# Altium PCB nRFBOXv2.PcbDoc
Units mm, origin at the board's own origin, x right, y up, seen from the top; angles counter-clockwise.
Board outline 47.75 x 87.5 mm, 2 copper layers (Top Layer, Bottom Layer); 68 components, 63 nets, 332 pads, 74 vias.
Unrouted connection lines stored in the file: 1.
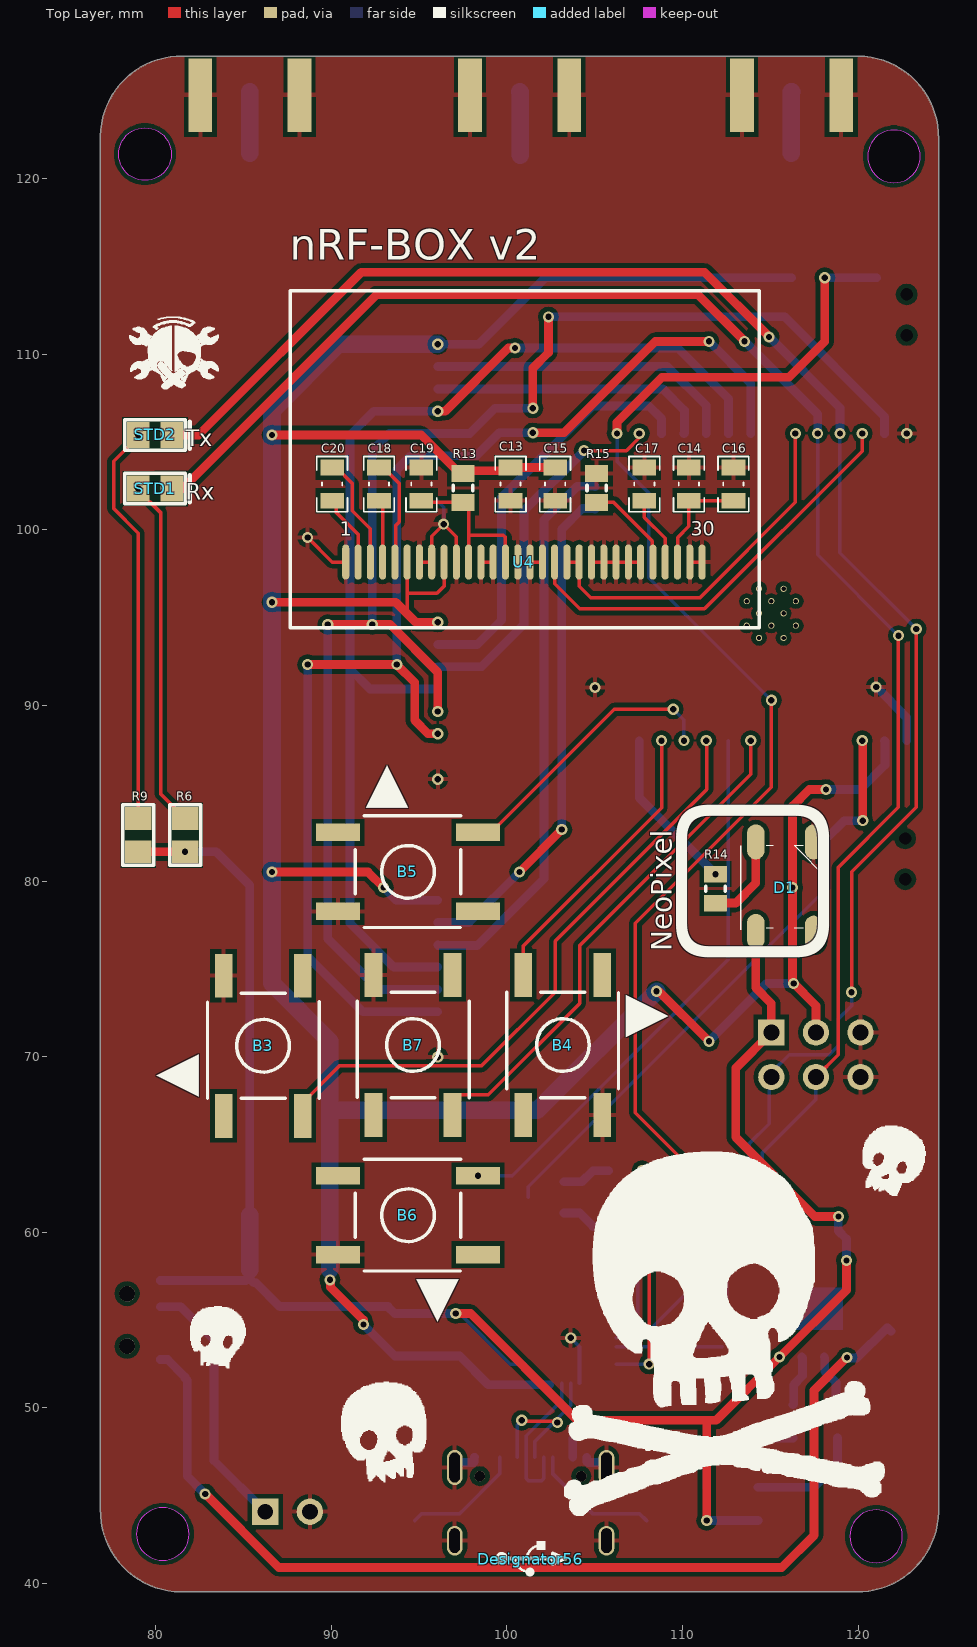
[diagram p0: Top Layer view]
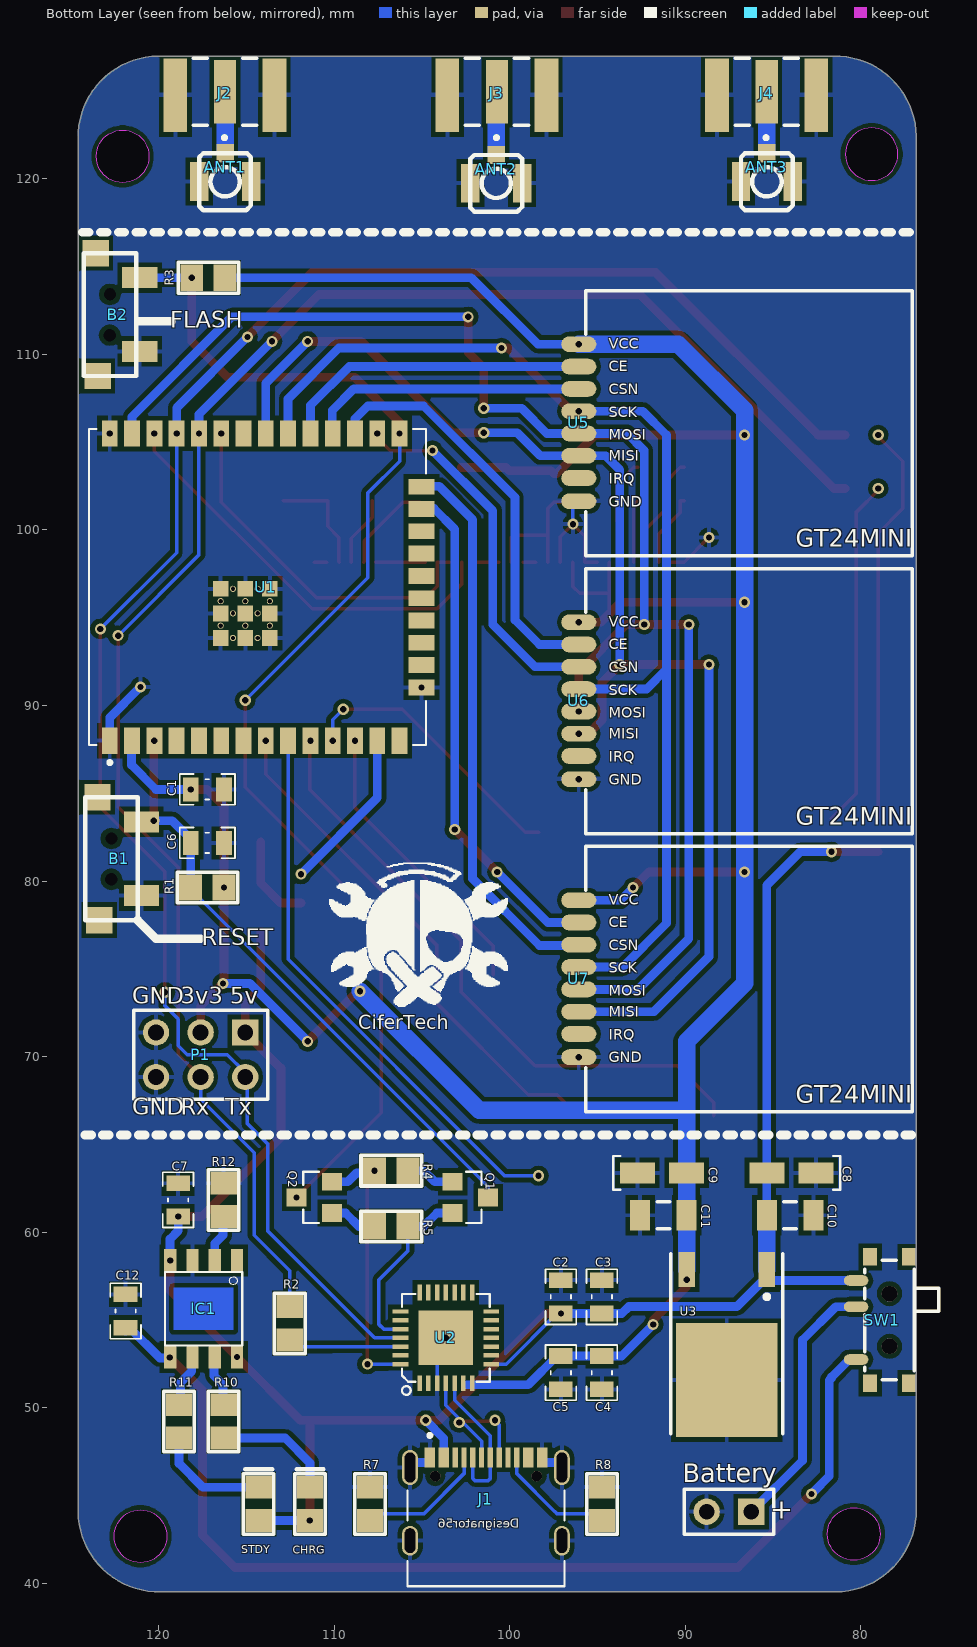
[diagram p1: Bottom Layer view, seen from below]

## Layer stack, top to bottom
Top Solder: solder mask 0.0102, Solder Resist, Dk 3.5
Top Layer: signal copper 0.0356
Dielectric 1: dielectric 0.32, FR-4, Dk 4.8
Bottom Layer: signal copper 0.0356
Bottom Solder: solder mask 0.0102, Solder Resist, Dk 3.5

## Board outline
76.835,44.196 ccw(c81.47,44.133) 81.407,39.497 119.888,39.497 ccw(c119.951,44.132) 124.587,44.069 124.587,122.301 ccw(c119.952,122.364) 120.015,127 81.534,127 ccw(c81.471,122.365) 76.835,122.428
cut-out: 78.891,42.799 ccw(c80.391,42.799) 80.391,41.299 ccw(c80.391,42.799) 81.891,42.799 ccw(c80.391,42.799) 80.391,44.299 ccw(c80.391,42.799)
cut-out: 119.531,42.672 ccw(c121.031,42.672) 121.031,41.172 ccw(c121.031,42.672) 122.531,42.672 ccw(c121.031,42.672) 121.031,44.172 ccw(c121.031,42.672)
cut-out: 79.375,119.912 cw(c79.375,121.412) 77.875,121.412 cw(c79.375,121.412) 79.375,122.912 cw(c79.375,121.412) 80.875,121.412 cw(c79.375,121.412)
cut-out: 120.547,121.285 ccw(c122.047,121.285) 122.047,119.785 ccw(c122.047,121.285) 123.547,121.285 ccw(c122.047,121.285) 122.047,122.785 ccw(c122.047,121.285)

## Design rules (kind name [scope] priority, off if disabled: settings)
Clearance [All] p1: gap=0.254 ignorepadtopadclearanceinfootprint=FALSE except(0: Arc-Hole Track-Hole SMDPad-Hole THPad-Hole Via-Hole Fill-Hole Poly-Hole Region-Hole Text-Hole)
PolygonConnect [All] p1: connectstyle=Relief reliefconductorwidth=0.254 reliefentries=4 polygonreliefangle="90 Angle" airgapwidth=0.254
RoutingVias [All] p1: holewidth=0.711 width=1.27 viastyle="Through Hole" minholewidth=0.711 minwidth=1.27 maxholewidth=0.711 maxwidth=1.27
SolderMaskExpansion [All] p1: expansion=0.102
Width [All] p1: maxlimit=1 minlimit=0.2 preferedwidth=0.5 minimp=50.000000 maximp=50.000000 favimp=50.000000
30 further rules are at their usual default settings.

## Components (designator, comment, footprint, x,y, rotation, side; value= is the part's Value field where it differs from the comment)
ANT1 "ANT U.FL" "U.FL SMD" 116.205,120.65 r0 bottom
ANT2 "ANT U.FL" "U.FL SMD" 100.76,120.561 r0 bottom
ANT3 "ANT U.FL" "U.FL SMD" 85.344,120.65 r0 bottom
B1 "BUTTON" "PUSH BUTTON SMD" 122.67,81.178 r0 bottom
B2 "BUTTON" "PUSH BUTTON SMD" 122.759,112.177 r0 bottom
B3 "Button" "PUSH BUTTON 4 PIN SMD 5" 86.106,70.612 r90 top
B4 "Button" "PUSH BUTTON 4 PIN SMD 5" 103.187,70.657 r270 top
B5 "Button" "PUSH BUTTON 4 PIN SMD 5" 94.361,80.522 r180 top
B6 "Button" "PUSH BUTTON 4 PIN SMD 5" 94.361,60.96 r180 top
B7 "Button" "PUSH BUTTON 4 PIN SMD 5" 94.647,70.657 r90 top
Battery "Battery" Bat 69.342,53.721 r0 bottom (schematic designator BT1)
C1 "100nf" CAP0805 117.221,85.217 r0 bottom
C2 "10uf" CAP0805 97.079,56.311 r270 bottom
C3 "100nf" CAP0805 94.742,56.311 r270 bottom
C4 "10uf" CAP0805 94.742,51.993 r90 bottom
C5 "100nf" CAP0805 97.079,51.993 r90 bottom
C6 "100nf" CAP0805 117.221,82.169 r0 bottom
C7 "100nf" CAP0805 118.882,61.833 r270 bottom
C8 "Capacitor Tantalum SMD" "Tan 1206 (3216X18L) Size A" 77.211,68.835 r0 bottom value=2.2uf
C9 "Capacitor Tantalum SMD" "Tan 1206 (3216X18L) Size A" 98.049,57.913 r180 bottom value=2.2uf
C10 "10uf" "CAP 1206 (3216X15L)" 84.02,60.96 r0 bottom
C11 "10uf" "CAP 1206 (3216X15L)" 91.24,60.96 r180 bottom
C12 "100nf" CAP0805 121.88,55.504 r270 bottom
C13 "10uf" CAP0805 100.203,102.616 r270 top
C14 "10uf" CAP0805 110.363,102.616 r270 top
C15 "100nf" CAP0805 102.743,102.616 r270 top
C16 "100nf" CAP0805 112.903,102.616 r270 top
C17 "2.2uf" CAP0805 107.823,102.616 r90 top
C18 "1uf" CAP0805 92.71,102.616 r90 top
C19 "2.2uf" CAP0805 95.123,102.616 r90 top
C20 "1uf" CAP0805 90.043,102.616 r90 top
CHRG "LED" L0805 111.379,45.466 r90 bottom (schematic designator STD4)
D1 "LED RGB WS2812" "LED 5050 WS2812B" 115.824,79.629 r90 top
Designator56 "Comment" "LOGO USB1" 101.346,41.402 r0 top
IC1 "TP4056" SOP-8 117.435,55.631 r270 bottom
J1 "TYPE-C-31-M-12" HRO_TYPE-C-31-M-12 101.346,42.418 r180 bottom
J2 "SMA" SAMTEC_SMA-J-P-H-ST-EM1 116.216,124.968 r0 bottom
J3 "SMA" SAMTEC_SMA-J-P-H-ST-EM1 100.722,124.968 r0 bottom
J4 "SMA" SAMTEC_SMA-J-P-H-ST-EM1 85.355,124.968 r0 bottom
P1 "Header 3X2" HDR2X3 115.062,71.374 r0 bottom
Q1 "S8050" SOT-23 102.235,61.976 r270 bottom
Q2 "S8050" SOT-23 111.125,61.976 r90 bottom
R1 "4.7k" "RES 0805" 118.171,79.629 r270 bottom
R2 "470" "RES 0805" 112.522,55.753 r0 bottom
R3 "4.7k" "RES 0805" 118.107,114.372 r270 bottom
R4 "12k" "RES 0805" 107.691,63.5 r270 bottom
R5 "12k" "RES 0805" 105.791,60.325 r90 bottom
R6 "1k" "RES 0805" 81.666,81.661 r0 top
R7 "5.1k" "RES 0805" 107.95,43.566 r180 bottom
R8 "5.1k" "RES 0805" 94.742,43.566 r180 bottom
R9 "1k" "RES 0805" 78.999,81.666 r0 top
R10 "1k" "RES 0805" 116.292,50.165 r0 bottom
R11 "1k" "RES 0805" 118.832,50.165 r0 bottom
R12 "1k" "RES 0805" 116.292,60.883 r180 bottom
R13 "10k" "RES 0805 (2012X06L)" 97.49,101.568 r90 top
R14 "1k" "RES 0805 (2012X06L)" 111.887,80.39 r270 top
R15 "390k" "RES 0805 (2012X06L)" 105.11,101.568 r90 top
STD1 "LED" L0805 80.899,102.362 r0 top
STD2 "LED" L0805 80.899,105.41 r0 top
STDY "LED" L0805 114.3,45.466 r90 bottom (schematic designator STD3)
SW1 "SlideSwitch" SWSLIDT_SPDT_MSS3 78.359,54.991 r270 bottom
U1 "ESP32-WROOM-32U" XCVR_ESP32-WROOM-32U 114.369,96.747 r90 bottom
U2 "CP2102" QFN28G_0.5-5X5MM 103.632,53.975 r90 bottom
U3 "LF33" D-PACK 85.345,57.862 r0 bottom
U4 "OLED_0.96IN_WHITE" OLED_0.96IN_WHITE_SSD1306 100.965,98.171 r0 top locked
U5 "NRF24L01" NRF24L01_GT24MINI_MS 86.36,106.137 r180 bottom locked
U6 "NRF24L01" NRF24L01_GT24MINI_MS 86.36,90.302 r180 bottom locked
U7 "NRF24L01" NRF24L01_GT24MINI_MS 86.36,74.467 r180 bottom locked

## Footprints (in the part's own frame and the unit in brackets; to place one, negate y for a bottom-side part, rotate by r counter-clockwise, add the part's x,y. Pads: shape width x height; smd on the part's side, far side on the other; paste and mask are expansions set on the pad)
Bat [mm]
  rect 1.5x1.5 hole 0.9: 1(16.891,9.652)
  round 1.5 hole 0.9: 2(19.431,9.652)
  silkscreen extent 15.62,8.38 20.7,10.92
CAP0805 [mm] "Chip Capacitor, 2-Leads, Body 2/00x1/25mm, IPC Medium Density DESIGNER:ABBAS BASEREH"
  rect 0.9x1.35 smd: 1(-0.95,0) 2(0.95,0)
  silkscreen extent -1.58,-0.87 1.58,0.87, body extent -1.02,-0.65 1.02,0.65, height 0.5
"CAP 1206 (3216X15L)" [mm] "Chip Capacitor, 2-Leads, Body 3.2x1.6mm, IPC High Density"
  rect 1.15x1.75 smd: 1(-1.325,0) 2(1.325,0)
  silkscreen extent -0.35,-0.77 0.35,0.77, body extent -1.6,-0.8 1.6,0.8, height 1
D-PACK [mm] "D-PACK"
  rect 0.95x2 smd: 1(0,0) 3(4.57,0)
  rect 5.8x6.5 smd: 2(2.285,6.3)
  silkscreen extent -0.91,-0.9 5.49,9.35, body extent -1.03,-0.45 5.55,9.25, height 2.3
HDR2X3 [mm] "Connector; Header; 3x2 Position"
  rect 1.5x1.5 hole 0.9: 1(0,0)
  round 1.5 hole 0.9: 2(0,2.54) 3(2.54,0) 4(2.54,2.54) 5(5.08,0) 6(5.08,2.54)
  silkscreen extent -1.27,-1.27 6.35,3.81, body extent -1.27,-1.26 6.35,3.82, height 8.38
HRO_TYPE-C-31-M-12 [mm]
  rect 0.6x1.14 smd mask+0.05: A1_B12(-3.2,4.75) A4_B9(-2.4,4.75) B1_A12(3.2,4.75) B4_A9(2.4,4.75)
  rect 0.3x1.14 smd mask+0.05: A5(-1.25,4.75) A6(-0.25,4.75) A7(0.25,4.75) A8(1.25,4.75) B5(1.75,4.75) B6(0.75,4.75) B7(-0.75,4.75) B8(-1.75,4.75)
  oval 0.9x2 hole 0.6 slot 1.7 at 90 deg: S1(-4.325,4.17) S2(4.325,4.17)
  oval 0.9x1.7 hole 0.6 slot 1.4 at 90 deg: S3(-4.325,0) S4(4.325,0)
  round 0.6 hole 0.6 unplated: ""(-2.89,3.68) ""(2.89,3.68)
  silkscreen extent -4.47,-2.6 4.47,6.1, body extent -4.47,-2.6 4.47,5.3, height 3.31
L0805 [mm] "Body 2.0x1.3mm, IPC High Density"
  rect 1.3x1.5 smd: A(-1.9,0) K(0,0)
  silkscreen extent -2.68,-0.87 1.03,0.87, body extent -1.95,-0.63 0.05,0.62, height 0.68
"LED 5050 WS2812B" [mm]
  oval 2x1 smd: 1(-2.5,1.65) 2(-2.6,-1.65) 3(2.6,-1.65) 4(2.6,1.65)
  silkscreen extent -2.41,-2.49 2.4,2.51, body extent -2.74,-2.49 2.66,2.51, height 1.6
"LOGO USB1" [mm] "General USB Logo"
  silkscreen extent -1.82,-0.89 2.01,0.99
NRF24L01_GT24MINI_MS [mm] "2.4GHz Transceiver MODULE, SMD"
  oval 2x0.9 smd mask+0.1: 1(-9.7,4.44) 2(-9.7,3.17) 3(-9.7,1.9) 4(-9.7,0.63) 5(-9.7,-0.64) 6(-9.7,-1.91) 7(-9.7,-3.18) 8(-9.7,-4.5)
  silkscreen extent -9.3,-7.6 9.3,7.5, body extent -9.2,-7.5 9.2,7.4, height 2.25
OLED_0.96IN_WHITE_SSD1306 [mm] "OLED, 0.96IN, Monochrome white, SSD1306"
  oval 0.4x2 smd: 1(-10.15,0) 2(-9.45,0) 3(-8.75,0) 4(-8.05,0) 5(-7.35,0) 6(-6.65,0) 7(-5.95,0) 8(-5.25,0) 9(-4.55,0) 10(-3.85,0) 11(-3.15,0) 12(-2.45,0) 13(-1.75,0) 14(-1.05,0) 15(-0.35,0) 16(0.35,0) 17(1.05,0) 18(1.75,0) 19(2.45,0) 20(3.15,0) 21(3.85,0) 22(4.55,0) 23(5.25,0) 24(5.95,0) 25(6.65,0) 26(7.35,0) 27(8.05,0) 28(8.75,0) 29(9.45,0) 30(10.15,0)
  silkscreen extent -13.3,-3.75 13.4,15.45, body extent -13.35,-6.82 13.35,15.4, height 3.82
"PUSH BUTTON 4 PIN SMD 5" [mm]
  rect 2.5x1 smd: 1(-3.992,2.25) 2(-3.992,-2.25) 3(3.992,-2.25) 4(3.992,2.25)
  silkscreen extent -3,-3.2 3,3.17, body extent -4.5,-3 4.5,3, height 5
"PUSH BUTTON SMD" [mm]
  rect 1.5x1.5 smd: 1(0.712,3.405) 4(0.812,-3.595)
  rect 2x1.2 smd: 2(-1.688,2.005) 3(-1.688,-2.195)
  round 0 hole 0.7: ""(0.012,-1.245) ""(0.02,1.079)
  silkscreen extent -1.49,-3.59 1.51,3.41
QFN28G_0.5-5X5MM [mm]
  rect 0.9x0.254 smd: 1(-2.59,1.5) 2(-2.59,1) 3(-2.59,0.5) 4(-2.59,0) 5(-2.59,-0.5) 6(-2.59,-1) 7(-2.59,-1.5) 15(2.59,-1.5) 16(2.59,-1) 17(2.59,-0.5) 18(2.59,0) 19(2.59,0.5) 20(2.59,1) 21(2.59,1.5)
  rect 0.254x0.9 smd: 8(-1.5,-2.59) 9(-1,-2.59) 10(-0.5,-2.59) 11(0,-2.59) 12(0.5,-2.59) 13(1,-2.59) 14(1.5,-2.59) 22(1.5,2.59) 23(1,2.59) 24(0.5,2.59) 25(0,2.59) 26(-0.5,2.59) 27(-1,2.59) 28(-1.5,2.59)
  rect 3.1x3.1 smd paste-3: 29(0,0)
  silkscreen extent -3.25,-2.5 2.5,2.5
"RES 0805" [mm] "RES 0805"
  rect 1.5x1.3 smd: 1(0,0) 2(0,1.9)
  silkscreen extent -0.87,-0.77 0.87,2.68, body extent -0.63,-0.07 0.64,1.97, height 0.6
"RES 0805 (2012X06L)" [mm] "Chip Resistor, 2-Leads, Body 2.0x1.3mm, IPC High Density _ (0.100 W)"
  rect 0.95x1.3 smd: 1(0,0) 2(1.65,0)
  silkscreen extent 0.67,-0.55 0.97,0.55, body extent -0.19,-0.63 1.84,0.64, height 0.6
SAMTEC_SMA-J-P-H-ST-EM1 [mm]
  rect 1.27x3.6 smd: 1(0,0)
  rect 1.35x4.2 smd: 2_1(-2.825,0.2) 3_1(2.825,0.2)
  rect 1.35x4.2 smd far side: 2_2(-2.825,0.2) 3_2(2.825,0.2)
  silkscreen extent -1.8,-1.9 1.8,2.72, body extent -3.17,-11.42 3.18,1.91, height 3.55
SOP-8 [mm]
  rect 1.3x0.7 smd: 1(-2.75,1.905) 2(-2.75,0.635) 3(-2.75,-0.635) 4(-2.75,-1.905) 5(2.75,-1.905) 6(2.75,-0.635) 7(2.75,0.635) 8(2.75,1.905)
  Top Layer region: 1.2,-1.7 -1.2,-1.7 -1.2,1.7 1.2,1.7
  silkscreen extent -2.1,-2.2 2.1,2.2
SOT-23 [mil]
  rect 40x45 smd: 1(-35,-40) 2(35,-40) 3(0,40)
  silkscreen extent -58,-10 58,25, body extent -57,-51 57,51, height 55
SWSLIDT_SPDT_MSS3 [mm] "Switch, Slide, SPDT,"
  oval 0.6x1.4 smd: 1(2.25,-1.9) 2(-0.75,-1.9) 3(-2.25,-1.9)
  rect 1x0.8 smd: EP(-3.6,-1.1) EP(-3.6,1.1) EP(3.6,-1.1) EP(3.6,1.1)
  round 0.9 hole 0.9 unplated: ""(-1.5,0) ""(1.5,0)
  silkscreen extent -3.4,-1.4 3.4,2.8, body extent -3.85,-2.24 3.85,2.76, height 1.4
"Tan 1206 (3216X18L) Size A" [mil]
  rect 78.7x47.2 smd: 1(210,215) 2(320.22,215)
  silkscreen extent 156,177 171,253, body extent 193,179 336,250, height 71
"U.FL SMD" [mm] "U.FL Antenna-Design:Ali Hafizi"
  rect 1x1.05 smd: 1(0.002,-0.8)
  rect 1.05x2.2 smd: 2(-1.475,0.8) 2(1.475,0.8)
  silkscreen extent -1.47,-0.8 1.47,2.44, body extent -1.73,-0.76 1.67,2.34, height 1.25
XCVR_ESP32-WROOM-32U [mm]
  rect 1.5x0.9 smd: 1(-8.75,8.41) 2(-8.75,7.14) 3(-8.75,5.87) 4(-8.75,4.6) 5(-8.75,3.33) 6(-8.75,2.06) 7(-8.75,0.79) 8(-8.75,-0.48) 9(-8.75,-1.75) 10(-8.75,-3.02) 11(-8.75,-4.29) 12(-8.75,-5.56) 13(-8.75,-6.83) 14(-8.75,-8.1) 25(8.75,-8.1) 26(8.75,-6.83) 27(8.75,-5.56) 28(8.75,-4.29) 29(8.75,-3.02) 30(8.75,-1.75) 31(8.75,-0.48) 32(8.75,0.79) 33(8.75,2.06) 34(8.75,3.33) 35(8.75,4.6) 36(8.75,5.87) 37(8.75,7.14) 38(8.75,8.41)
  rect 0.9x1.5 smd: 15(-5.715,-9.35) 16(-4.445,-9.35) 17(-3.175,-9.35) 18(-1.905,-9.35) 19(-0.635,-9.35) 20(0.635,-9.35) 21(1.905,-9.35) 22(3.175,-9.35) 23(4.445,-9.35) 24(5.715,-9.35)
  rect 0.9x0.9 smd: 39_1(-2.9,2.09) 39_2(-1.5,2.09) 39_3(-0.1,2.09) 39_4(-2.9,0.69) 39_5(-1.5,0.69) 39_6(-0.1,0.69) 39_7(-2.9,-0.71) 39_8(-1.5,-0.71) 39_9(-0.1,-0.71)
  round 0.35 hole 0.25 mask+0: 40_1(-2.2,2.09) 40_2(-0.8,2.09) 40_3(-2.9,1.39) 40_4(-1.5,1.39) 40_5(-0.1,1.39) 40_6(-2.2,0.69) 40_7(-0.8,0.69) 40_8(-2.9,-0.01) 40_9(-1.5,-0.01) 40_10(-0.1,-0.01) 40_11(-2.2,-0.71) 40_12(-0.8,-0.71)
  silkscreen extent -10.1,-9.6 9,9.6, body extent -9,-9.6 9,9.6, height 3.35

## Part data
ANT1 ANT2 ANT3: "Antenna", Ali Hafizi="Ali Hafizi"
B1 B2: library part "PUSH BUTTON RIGHT", "PUSH BUTTON"
B3 B4 B5 B6 B7: library part "PUSH BUTTON 4 PIN", "PUSH BUTTON"
C1 C2 C3 C4 C5 C6 C7 C10 C11 C12 C13 C14 C15 C16 C17 C18 C19 C20: library part "CAP SMD", "Capacitor"
D1: "LED"
IC1: "Complete single cell Li-Ion battery with a constant current / constant voltage linear charger", Package="Package Analog Devices", Availability=Unavailable, MF="NanJing Top Power ASIC Corp.", MP=TP4056, Price=None, SnapEDA_Link=https://www.snapeda.com/parts/TP4056%20/NanJing%20Top%20Power%20ASIC%20Corp./view-part/2888426/?ref=snap
J1: "USB Connectors 24 Receptacle 1 8.94*7.3mm RoHS", Package=Package, Availability="Not in stock", Check_prices=https://www.snapeda.com/parts/TYPE-C-31-M-12/HRO+Electronics+Co.%252C+Ltd./view-part/?ref=eda, MF="HRO Electronics Co., Ltd.", MP=TYPE-C-31-M-12, Price=None, SnapEDA_Link=https://www.snapeda.com/parts/TYPE-C-31-M-12/HRO+Electronics+Co.%252C+Ltd./view-part/?ref=snap
J2 J3 J4: library part SMA-J-P-H-ST-EM1, "SMA Connector Jack, Female Socket 50Ohm Board Edge, End Launch Solder", Package=None, Availability=Unavailable, MF=Samtec, MP=SMA-J-P-H-ST-EM1, Price=None
P1: "Header, 3-Pin, Dual row", LatestRevisionDate=17-Jul-2002, LatestRevisionNote="Re-released for DXP Platform.", Publisher="Altium Limited"
Q1 Q2: library part SMD-TRANSISTORS-NPN-25V-500MW(SOT-23), "Bipolar (BJT) Transistor NPN 25 V 500 mA 150MHz 300 mW Surface Mount SOT-23", Package=None, Availability="In Stock", Check_prices=https://www.snapeda.com/parts/S8050/Umwelt+Sensor+Teknik/view-part/?ref=eda, MF=UMW, MP=S8050, Price=None, Purchase-URL=https://pricing.snapeda.com/search/part/S8050/?ref=eda, SnapEDA_Link=https://www.snapeda.com/parts/S8050/Umwelt+Sensor+Teknik/view-part/?ref=snap
R1 R2 R3 R4 R5 R6 R7 R8 R9 R10 R11 R12 R13 R14 R15: library part RES, "RESISTOR"
SW1: library part SWSLIDT_SPDT_MSS3, "SWITCH, SLIDE, SPDT, SMD", =http://www.chila.ir, ASSEMBLY=ASSEMBLY, DESC=DESCRIPTION, MANF=Diptronics, MANF_PART#=MSS3-V, PARAM="24VDC/25mA, -20~+70oC", Price=0.7$
U1: "Bluetooth, WiFi 802.11b/g/n, Bluetooth v4.2 +EDR, Class 1, 2 and 3 Transceiver Module 2.4GHz ~ 2.5GHz Antenna Not Included, U.FL Surface Mount", Package="NON STANDARD-39 Espressif", Check_prices=https://www.snapeda.com/parts/ESP32-WROOM-32U/Espressif+Systems/view-part/?ref=eda, MF="Espressif Systems", MP=ESP32-WROOM-32U, SnapEDA_Link=https://www.snapeda.com/parts/ESP32-WROOM-32U/Espressif+Systems/view-part/?ref=snap
U2: library part INTERFACE-CP2102-GMR(QFN28), "USB Bridge, USB to UART USB 2.0 UART Interface 28-QFN _5x5_", Package="VFQFN-28 Vishay Siliconix", Availability=Unavailable, MF=Silicon, MP=CP2102-GMR, Price=None, SnapEDA_Link=https://www.snapeda.com/parts/CP2102-GMR/Silicon%20Labs/view-part/570818/?ref=snap
U3: "3.3V VOLTAGE REGULATOR"
U4: library part OLED_0.96IN_WHITE_SSD1306, "OLED, 0.96\", Monochrome white, SSD1306", =https://makatronicteam.com, DESIGN BY=A-SHAMSAEI, PARAM="white color, 0.96\", 128X64", PARAM2="3.3~5VIN, -20~+70°C"
U5 U6 U7: library part NRF24L01_GT24MINI_MS, "2.4GHz Transceiver MODULE, SMD", =https://makatronicteam.com, DESIGN BY=A-SHAMSAEI, PARAM="1.9~3.6VIN, 12mA", PARAM2="2Mbit/s, –40~+85°C"

## Via types
v1: diameter 0.635, hole 0.356, Top Layer to Bottom Layer, 74 vias

## Nets (pads, with @x,y where several pads share a name; then routed paths per layer and width w, separated by ;. In a path a pad name is that pad's centre, name@x,y a point inside that pad or via, vN(x,y) a via of type N, cw(c..) or ccw(c..) an arc to the next point about the centre after c; other vN are vias at no path point)
3V3: C1.2 C4.2 C5.2 C9.2 C11.2 C13.1 C15.1 P1.3 R1.2 R3.2 R13.2 U1.2 U2.6 U2.7 U3.3 U4.6 U4.9 U5.1 U6.1 U7.1 | length 195.6
  Top Layer w0.2: 94.24,95.313 94.315,95.389 94.315,96.393 ; U4.6 94.315,96.393 ; U4.9 96.415,96.796 96.012,96.393 94.315,96.393
  Top Layer w0.5: v1(86.614,80.518) 92.075,80.518 v1(92.964,79.629) ; v1(86.614,95.885) 93.668,95.885 94.24,95.313 94.811,94.742 v1(96.06,94.742) ; v1(86.614,105.41) 95.122,105.41 97.315,103.218 R13.2 97.65,103.378 100.015,103.378 C13.1 C15.1 ; v1(89.915,57.278) 89.941,57.252 89.941,56.871 91.821,54.991 v1(91.821,54.737) ; v1(108.521,73.724) 108.648,73.724 v1(111.506,70.866) ; P1.3 117.602,72.898 116.271,74.229 v1(116.271,79.629) 116.271,84.267 117.221,85.217 v1(118.171,85.217)
  Bottom Layer w0.5: v1(89.915,57.278) U3.3 ; v1(91.821,54.737) 93.615,52.943 C4.2 C5.2 97.304,52.943 98.939,51.308 102.424,51.308 ; v1(92.964,79.629) 93.686,78.907 U7.1 ; v1(96.06,110.577) 98.385,110.577 102.18,114.372 R3.2 ; v1(111.506,70.866) 114.808,74.168 v1(116.332,74.168) ; v1(118.171,85.217) 120.142,85.217 121.539,86.614 121.539,87.967 U1.2
  Bottom Layer w1: U3.3 C11.2 C9.2 89.915,66.929 ; v1(96.06,110.577) 90.384,110.577 86.614,106.807 v1(86.614,105.41) v1(86.614,95.885) v1(86.614,80.518) 86.614,74.168 89.915,70.867 89.915,66.929 ; v1(108.521,73.724) 101.727,66.929 89.915,66.929
+5v: C2.2 C3.2 C7.2 C8.2 C10.2 CHRG.A D1.1 IC1.4 IC1.8 J1.A4_B9 P1.1 R6.1 R9.1 STDY.A SW1.3 U2.8 U3.1 | length 116.6
  Top Layer w0.5: R9.1 79.001,81.664 v1(81.663,81.664) R6.1 ; v1(97.079,55.361) 97.928,55.361 104.013,49.276 v1(104.775,49.276) 111.252,49.276 ; v1(111.379,43.566) 111.379,49.149 111.252,49.276 ; D1.1 114.173,77.128 114.173,73.914 115.062,73.025 P1.1 113.03,69.342 113.03,65.405 117.552,60.883 v1(118.882,60.883) ; v1(119.34,58.381) 119.34,56.691 v1(115.53,52.881) 111.925,49.276 111.252,49.276
  Bottom Layer w0.2: v1(97.079,55.361) 97.304,55.361 100.19,52.475 U2.8
  Bottom Layer w0.5: SW1.3 85.12,57.241 U3.1@85.345,57.466 ; v1(81.663,81.664) 83.436,81.664 85.345,79.755 C10.2 ; U3.1 U3.1@85.345,57.466 ; v1(97.079,55.361) C3.2 93.61,55.361 93.218,55.753 87.058,55.753 85.699,57.112 85.57,57.112 85.345,57.337 U3.1@85.345,57.466 ; J1.A4_B9 103.746,48.242 104.775,49.271 v1(104.775,49.276) ; v1(111.379,43.566) STDY.A ; v1(118.882,60.883) 118.872,60.873 118.872,60.071 119.34,59.603 v1(119.34,58.381)
  Bottom Layer w1: U3.1 C10.2
ACTIVE: U2.11
BAT: C12.2 IC1.5 SW1.1 | length 60.2
  Top Layer w0.5: v1(82.804,45.085) 86.995,40.894 115.658,40.894 117.498,42.734 117.498,50.99 v1(119.365,52.857)
  Bottom Layer w0.5: SW1.1 80.659,52.741 81.661,51.739 81.661,51.689 81.788,51.562 81.788,46.101 v1@82.677,45.212 ; IC1.5 119.389,52.832 119.933,52.832 121.655,54.554 121.68,54.554 C12.2@121.88,54.354
CC1: J1.A5 R7.1 | length 7.4
  Bottom Layer w0.2: J1.A5 102.596,46.244 104.898,43.942 107.574,43.942 R7.1
CC2: J1.B5 R8.1 | length 6.9
  Bottom Layer w0.2: R8.1 95.118,43.942 97.282,43.942 97.409,44.069 97.421,44.069 99.596,46.244 J1.B5
CTS: U2.23
D+: J1.A6 J1.B6 U2.4 | length 9.4
  Top Layer w0.2: v1(100.838,49.276) 100.901,49.212 102.806,49.212 v1(102.87,49.149)
  Bottom Layer w0.2: J1.B6 100.592,47.172 100.592,49.03 v1(100.838,49.276) ; J1.A6 101.596,48.092 103.632,50.128 U2.4
D-: J1.A7 J1.B7 U2.5 | length 8.6
  Bottom Layer w0.2: J1.B7 102.096,45.964 101.979,45.847 101.209,45.847 101.092,45.964 101.092,46.443 101.096,46.447 J1.A7 101.096,48.391 103.132,50.427 U2.5
DCD: U2.1
DSR: U2.27
DTR: Q2.2 R4.1 U2.28 | length 15.8
  Top Layer w0.2: v1(107.696,63.5) 108.101,63.095 v1(108.101,52.475)
  Bottom Layer w0.2: U2.28 v1(108.101,52.475)
  Bottom Layer w0.5: R4.1 107.818,63.373 108.712,63.373 109.22,62.865 Q2.2
GND: ANT1.2 ANT2.2 ANT3.2 B1.2 B2.2 B3.4 B4.4 B5.4 B6.4 B7.4 Battery.2 C1.1 C2.1 C3.1 C4.1 C5.1 C6.1 C7.1 C8.1 C9.1 C10.1 C11.1 C12.1 C13.2 C14.1 C15.2 C16.1 C17.2 C19.2 D1.3 IC1.3 J1.A1_B12 J1.B1_A12 J1.S1 J1.S2 J1.S3 J1.S4 J2.2_1 J2.2_2 J2.3_1 J2.3_2 J3.2_1 J3.2_2 J3.3_1 J3.3_2 J4.2_1 J4.2_2 J4.3_1 J4.3_2 P1.5 P1.6 R7.2 R8.2 R12.2 R15.2 U1.1 U1.15 U1.38 U1.39_1 U1.39_2 U1.39_3 U1.39_4 U1.39_5 U1.39_6 U1.39_7 U1.39_8 U1.39_9 U2.3 U2.29 U3.2 U4.1 U4.7 U4.8 U4.10 U4.12 U4.13 U4.15 U4.16 U4.17 U4.21 U4.22 U4.23 U4.24 U4.25 U4.29 U4.30 U5.8 U6.8 U7.8 | length 25.1
  Top Layer w0.2: v1(88.646,99.568) 90.043,98.171 U4.1 ; U4.7 U4.8 95.715,99.652 v1(96.393,100.33) 97.115,99.608 U4.10 ; U4.12 U4.13 ; U4.15 U4.16 U4.17 ; U4.21 U4.22 U4.23 U4.24 U4.25 ; U4.29 U4.30
  Bottom Layer w0.2: U5.8 96.393,101.304 v1(96.393,100.33) ; v1(103.632,53.975) 104.132,53.475 U2.3
  Bottom Layer w0.5: J1.S2 97.021,46.693 97.206,46.878 98.096,46.878 98.142,46.924 98.142,47.164 J1.B1_A12 ; J1.A1_B12 104.55,47.168 104.55,46.924 104.596,46.878 105.486,46.878 105.671,46.693 J1.S1 ; v1(121.031,91.059) 122.779,89.311 U1.1
  other v1: 96.06,69.967 96.06,85.802 105.019,91.032 122.779,105.497
GPIO0: B2.3 Q2.3 R3.1 U1.25 | length 73.4
  Top Layer w0.2: v1(112.141,61.976) 107.315,66.802 107.315,77.597 115.062,85.344 v1(115.062,90.297)
  Top Layer w0.5: v1(106.269,105.497) 106.269,106.142 108.832,108.705 116.071,108.705 118.107,110.741 v1(118.107,114.372)
  Bottom Layer w0.2: v1(106.269,105.497) 106.269,103.916 108.077,102.108 108.077,97.282 v1(115.062,90.297)
  Bottom Layer w0.5: v1(118.107,114.372) B2.3
IO2: U1.24 U7.3 | length 31.8
  Bottom Layer w0.5: U7.3 96.1,76.327 98.298,76.327 102.108,80.137 102.108,100.584 104.013,102.489 104.992,102.489 U1.24
IO4: U1.26 U6.3 | length 20.9
  Top Layer w0.2: v1(104.394,104.521) 106.807,104.521 107.539,105.253 v1(107.539,105.497)
  Bottom Layer w0.5: U6.3 98.552,92.202 100.965,94.615 100.965,101.092 v1(104.394,104.521)
IO5: U1.29 U5.2 | length 17.8
  Bottom Layer w0.5: U5.2 109.133,109.307 111.349,107.091 U1.29
IO12: U1.14
IO13: U1.16
IO14: R14.1 U1.13 | length 9.4
  Bottom Layer w0.5: U1.13 107.539,84.738 v1(111.887,80.39)
IO15: U1.23 U7.2 | length 28.8
  Top Layer w0.5: v1(100.711,80.518) v1(103.124,82.931)
  Bottom Layer w0.5: U7.2 97.83,77.637 v1(100.711,80.518) ; v1(103.124,82.931) 103.124,100.037 104.306,101.219 104.992,101.219 U1.23
IO16: U1.27 U6.2 | length 23.6
  Bottom Layer w0.5: U6.2 98.298,93.472 99.695,94.869 99.695,101.854 104.902,107.061 108.077,107.061 108.809,106.329 U1.27
IO17: U1.28 U5.3 | length 15.9
  Bottom Layer w0.5: U5.3 108.879,108.037 110.109,106.807 110.109,105.527 U1.28
IO18: U1.30 U5.4 U6.4 U7.4 | length 66.1
  Top Layer w0.5: v1(96.06,106.767) 96.48,106.767 100.076,110.363 v1(100.457,110.363)
  Bottom Layer w0.5: U7.4 93.559,75.097 91.059,77.597 91.059,92.075 ; U6.4 92.202,90.932 91.059,92.075 ; v1(96.06,106.767) 92.416,106.767 91.059,105.41 91.059,92.075 ; v1(100.457,110.363) 109.728,110.363 112.619,107.472 U1.30
IO19: U1.31 U5.6 U6.6 U7.6 | length 73.8
  Top Layer w0.5: v1(88.646,92.329) v1(93.726,92.329) 94.742,91.313 94.742,89.154 95.504,88.392 v1(96.06,88.392) ; v1(101.473,105.537) 103.251,105.537 108.458,110.744 v1(111.506,110.744)
  Bottom Layer w0.5: v1(88.646,92.329) 88.646,75.692 91.781,72.557 U7.6 ; v1(93.726,92.329) 93.726,103.433 94.52,104.227 U5.6 98.258,104.227 99.568,105.537 v1(101.473,105.537) ; v1(111.506,110.744) 113.889,108.361 U1.31
IO21: U1.33 U4.19 U4.20 | length 20.8
  Top Layer w0.2: U4.19 U4.20 104.115,96.799 104.775,96.139 110.998,96.139 116.429,101.57 v1(116.429,105.497)
IO22: U1.36 U4.18 | length 24.1
  Top Layer w0.2: U4.18 102.715,96.929 104.14,95.504 111.252,95.504 120.239,104.491 v1(120.239,105.497)
IO23: U1.37 U5.5 U6.5 U7.5 | length 83.1
  Top Layer w0.5: v1(89.789,94.615) v1(92.329,94.615) 93.345,94.615 96.06,91.9 v1(96.06,89.662) ; v1(101.473,106.934) 101.473,109.22 102.362,110.109 v1(102.362,112.141)
  Bottom Layer w0.5: v1(89.789,94.615) 89.789,76.708 92.67,73.827 U7.5 ; v1(92.329,94.615) 92.329,104.521 93.305,105.497 U5.5 97.877,105.497 99.314,106.934 v1(101.473,106.934) ; v1(102.362,112.141) 115.824,112.141 121.509,106.456 U1.37
IO25: B3.2 U1.10 | length 35.7
  Top Layer w0.2: B3.2 88.356,67.369 90.455,69.469 98.552,69.469 102.743,73.66 102.743,76.581 111.379,85.217 111.379,87.967 v1(111.349,87.997)
IO26: B5.2 U1.11 | length 16.1
  Top Layer w0.2: B5.2 99.103,82.772 106.121,89.789 v1(109.474,89.789)
  Bottom Layer w0.2: v1(109.474,89.789) 110.079,89.184 v1(110.079,87.997)
IO27: B4.2 U1.12 | length 16.6
  Top Layer w0.2: B4.2 100.937,76.299 108.809,84.171 v1(108.809,87.997)
IO32: B7.2 U1.8 | length 29.3
  Top Layer w0.2: B7.2 96.896,67.414 97.297,67.814 98.929,67.814 104.14,73.025 104.14,76.327 113.889,86.076 v1(113.889,87.997)
IO33: B6.2 U1.9 | length 31.8
  Bottom Layer w0.2: v1(98.353,63.21) 100.294,63.21 112.619,75.535 U1.9
IO34: U1.6
IO35: U1.7
NetANT1_1: ANT1.1 J2.1 | length 3.5
  Bottom Layer w1: ANT1.1 116.207,124.959 J2.1
NetANT2_1: ANT2.1 J3.1 | length 3.6
  Bottom Layer w1: J3.1 100.762,124.928 ANT2.1
NetANT3_1: ANT3.1 J4.1 | length 3.5
  Bottom Layer w1: ANT3.1 85.346,124.959 J4.1
NetBT1_1: Battery.1 SW1.2 | length 14.8
  Bottom Layer w0.5: SW1.2 81.419,55.741 83.312,53.848 83.312,46.99 Battery.1
NetC14_2: C14.2 C16.2 U4.28 | length 6.3
  Top Layer w0.2: U4.28 109.728,98.184 109.728,99.568 110.363,100.203 C14.2 C16.2
NetC17_1: C17.1 U4.27 | length 4
  Top Layer w0.2: C17.1 107.823,100.711 109.015,99.519 U4.27
NetC18_1: C18.1 U4.4 | length 3.6
  Top Layer w0.2: C18.1 92.915,101.461 U4.4
NetC18_2: C18.2 U4.5 | length 6.1
  Top Layer w0.2: C18.2 92.935,103.566 93.853,102.648 93.853,100.457 93.653,100.257 93.653,98.209 U4.5
NetC19_1: C19.1 R13.1 U4.11 U4.14 | length 9.5
  Top Layer w0.2: C19.1 95.221,101.568 R13.1 97.815,101.242 97.815,99.707 ; U4.11 97.815,99.707 ; U4.14 99.915,99.578 99.798,99.695 97.827,99.695 97.815,99.707
NetC20_1: C20.1 U4.2 | length 4.2
  Top Layer w0.2: C20.1 90.268,101.666 90.268,100.994 91.515,99.747 U4.2
NetC20_2: C20.2 U4.3 | length 6.4
  Top Layer w0.2: C20.2 90.268,103.566 91.186,102.648 91.186,101.092 92.215,100.063 U4.3
NetD1_4: D1.4 R14.2 | length 5.1
  Top Layer w0.5: R14.2 113.03,78.74 114.174,79.884 D1.4
NetIC1_2: IC1.2 R12.1 | length 2.7
  Bottom Layer w0.5: R12.1 116.332,60.843 116.332,59.817 116.8,59.349 IC1.2
NetIC1_6: IC1.6 R11.1 | length 3
  Bottom Layer w0.5: IC1.6 118.11,52.841 118.11,52.07 118.745,51.435 118.745,50.252 R11.1
NetIC1_7: IC1.7 R10.1 | length 3
  Bottom Layer w0.5: R10.1 116.332,50.205 116.332,51.308 116.84,51.816 116.84,52.841 IC1.7
NetQ1_1: Q1.1 R4.2 | length 2.8
  Bottom Layer w0.5: Q1.1 104.267,62.865 104.902,63.5 R4.2
NetQ2_1: Q2.1 R5.2 | length 2.7
  Bottom Layer w0.5: R5.2 108.585,60.325 109.347,61.087 Q2.1
NetR2_2: R2.2 U2.26 | length 6.1
  Bottom Layer w0.2: U2.26 110.109,53.475 110.101,53.467 R2.2@112.268,53.467
NetR6_2: R6.2 STD1.A | length 19.9
  Top Layer w0.2: v1(78.999,102.362) 78.999,102.262 80.264,100.997 80.264,84.963 R6.2
NetR9_2: R9.2 STD2.A | length 23
  Top Layer w0.2: R9.2 78.999,99.817 77.597,101.219 77.597,103.908 78.999,105.31 v1(78.999,105.41)
NetR10_2: CHRG.K R10.2 | length 6.9
  Bottom Layer w0.5: CHRG.K 111.379,46.863 112.781,48.265 R10.2
NetR11_2: R11.2 STDY.K | length 6.5
  Bottom Layer w0.5: STDY.K 117.475,45.466 118.832,46.823 R11.2
NetR15_1: R15.1 U4.26 | length 5.3
  Top Layer w0.2: R15.1 106.077,101.568 108.277,99.368 108.277,98.209 U4.26
RESET: B1.3 C6.2 Q1.3 R1.1 U1.3 | length 34.6
  Top Layer w0.5: v1(120.239,87.997) 120.269,87.967 v1(120.269,83.439)
  Bottom Layer w0.2: Q1.3 101.219,62.577 R1.1@118.171,79.529 ; R1.1@118.171,79.529 R1.1 R1.1@118.171,79.529
  Bottom Layer w0.5: R1.1 C6.2 118.171,82.394 119.216,83.439 v1(120.269,83.439)
RI: U2.2
RTS: Q1.2 R5.1 U2.24 | length 10.5
  Bottom Layer w0.2: R5.1 105.791,58.928 107.442,57.277 107.442,54.737 107.18,54.475 U2.24
  Bottom Layer w0.5: Q1.2 104.14,61.087 104.902,60.325 R5.1
RX_0: P1.4 R2.1 STD1.K U1.34 | length 101
  Top Layer w0.2: P1.4 118.872,70.104 118.872,80.772 122.301,84.201 v1(122.301,93.98)
  Top Layer w0.5: STD1.K 81.534,102.362 92.583,113.411 110.871,113.411 v1(113.538,110.744)
  Bottom Layer w0.2: R2.1 112.522,57.788 114.554,59.82 114.554,64.516 117.602,67.564 P1.4 ; v1(117.699,105.497) 117.699,98.582 v1(122.301,93.98)
  Bottom Layer w0.5: v1(113.538,110.744) 117.699,106.583 v1(117.699,105.497)
TX_0: P1.2 STD2.K U1.35 U2.25 | length 109.2
  Top Layer w0.2: v1(119.634,73.66) 119.634,80.518 123.317,84.201 v1(123.317,94.361)
  Top Layer w0.5: STD2.K 82.423,105.41 91.694,114.681 111.252,114.681 v1(114.935,110.998)
  Bottom Layer w0.2: U2.25 107.696,53.975 113.792,60.071 113.792,65.024 114.935,66.167 114.935,68.707 P1.2 115.062,69.088 116.078,70.104 118.364,70.104 118.872,70.612 118.872,72.136 119.634,72.898 v1(119.634,73.66) ; v1(118.969,105.497) 118.969,98.709 v1(123.317,94.361)
  Bottom Layer w0.5: v1(114.935,110.998) 118.969,106.964 v1(118.969,105.497)
pads on no net: B1. B1.1 B1.4 B2. B2.1 B2.4 B3.1 B3.3 B4.1 B4.3 B5.1 B5.3 B6.1 B6.3 B7.1 B7.3 D1.2 IC1.1 J1. J1.A8 J1.B4_A9 J1.B8 SW1. SW1.EP U1.4 U1.5 U1.17 U1.18 U1.19 U1.20 U1.21 U1.22 U1.32 U1.40_1 U1.40_2 U1.40_3 U1.40_4 U1.40_5 U1.40_6 U1.40_7 U1.40_8 U1.40_9 U1.40_10 U1.40_11 U1.40_12 U2.9 U2.10 U2.12 U2.13 U2.14 U2.15 U2.16 U2.17 U2.18 U2.19 U2.20 U2.21 U2.22 U5.7 U6.7 U7.7

## Polygon pours and split planes (outlines as drawn)
GND on Top Layer "Top Layer-No Net" (solid, pour order 2): 76.835,44.196 ccw(c81.47,44.133) 81.407,39.497 119.888,39.497 ccw(c119.951,44.132) 124.587,44.069 124.587,122.301 ccw(c119.952,122.364) 120.015,127 81.534,127 ccw(c81.471,122.365) 76.835,122.428
GND on Bottom Layer "Top Layer-No Net1" (solid, pour order 3): 76.835,44.196 ccw(c81.47,44.133) 81.407,39.497 119.888,39.497 ccw(c119.951,44.132) 124.587,44.069 124.587,122.301 ccw(c119.952,122.364) 120.015,127 81.534,127 ccw(c81.471,122.365) 76.835,122.428

## Silkscreen, mask and mechanical layers (free items; w line width, h text height)
Top Overlay:
  drawing of 3251 lines, arcs and shapes, not listed
  text "nRF-BOX v2" at 87.63,114.808 h3
  text "Tx" at 81.693,104.442 h1.6
  text "Rx" at 81.693,101.394 h1.6
  text "▲" at 91.948,83.782 h4
  text "NeoPixel" at 109.791,76.01 h2 r90
  text "▢" at 119.843,74.601 h15 r90
  text "▲" at 106.388,73.533 h4 r270
  text "▲" at 82.842,67.691 h4 r90
  text "▲" at 97.282,57.696 h4 r180
Bottom Overlay:
  drawing of 766 lines, arcs and shapes, not listed
  text "FLASH" at 119.323,111.22 h1.6
  text "RESET" at 117.545,76.041 h1.6
  text "5v" at 115.921,72.707 h1.6
  text "3v3" at 118.745,72.707 h1.6
  text "GND" at 121.509,72.707 h1.6
  text "CiferTech" at 108.61,71.552 h0.8
  text "Tx" at 116.205,66.358 h1.6
  text "Rx" at 118.745,66.358 h1.6
  text "GND" at 121.507,66.358 h1.6
Mechanical 1:
  circle w0.208: c121.031,42.672 r1.5
  circle w0.208: c122.047,121.285 r1.5
  circle w0.208: c80.391,42.799 r1.5
  circle w0.208: c79.375,121.412 r1.5
  lines w0.1: 76.835,44.196 ccw(c81.47,44.133) 81.407,39.497 119.888,39.497 ccw(c119.951,44.132) 124.587,44.069 124.587,122.301 ccw(c119.952,122.364) 120.015,127 81.534,127 ccw(c81.471,122.365) 76.835,122.428 76.835,44.196

## Text inside footprints (layer, text, board x,y; h text height)
Battery: Bottom Overlay "+" at 83.833,44.646 h1.15 r180
J1: Mechanical 13 "PCB EDGE" at 96.146,40.518 h0.61
J2: Mechanical 13 "PCB EDGE" at 120.52,126.67 h0.61 r180
J3: Mechanical 13 "PCB EDGE" at 105.026,126.67 h0.61 r180
J4: Mechanical 13 "PCB EDGE" at 89.659,126.67 h0.61 r180
U4: Top Overlay "1" at 90.465,99.671 h0.8; Top Overlay "30" at 110.465,99.671 h0.8
U5: Bottom Overlay "GT24MINI" at 83.691,99.041 h1; Bottom Overlay "GND" at 94.36,101.332 h0.6; Bottom Overlay "IRQ" at 94.36,102.632 h0.6; Bottom Overlay "MISI" at 94.36,103.932 h0.6; Bottom Overlay "MOSI" at 94.36,105.132 h0.6; Bottom Overlay "SCK" at 94.36,106.432 h0.6; Bottom Overlay "CSN" at 94.36,107.732 h0.6; Bottom Overlay "CE" at 94.36,109.032 h0.6; Bottom Overlay "VCC" at 94.36,110.332 h0.6
U6: Bottom Overlay "GT24MINI" at 83.691,83.206 h1; Bottom Overlay "GND" at 94.36,85.497 h0.6; Bottom Overlay "IRQ" at 94.36,86.797 h0.6; Bottom Overlay "MISI" at 94.36,88.097 h0.6; Bottom Overlay "MOSI" at 94.36,89.297 h0.6; Bottom Overlay "SCK" at 94.36,90.597 h0.6; Bottom Overlay "CSN" at 94.36,91.897 h0.6; Bottom Overlay "CE" at 94.36,93.197 h0.6; Bottom Overlay "VCC" at 94.36,94.497 h0.6
U7: Bottom Overlay "GT24MINI" at 83.691,67.371 h1; Bottom Overlay "GND" at 94.36,69.662 h0.6; Bottom Overlay "IRQ" at 94.36,70.962 h0.6; Bottom Overlay "MISI" at 94.36,72.262 h0.6; Bottom Overlay "MOSI" at 94.36,73.462 h0.6; Bottom Overlay "SCK" at 94.36,74.762 h0.6; Bottom Overlay "CSN" at 94.36,76.062 h0.6; Bottom Overlay "CE" at 94.36,77.362 h0.6; Bottom Overlay "VCC" at 94.36,78.662 h0.6